# Altium PCB DCAC_V2b.PcbDoc (part 4 of 7)
Units mm, origin at the board's own origin, x right, y up, seen from the top; angles counter-clockwise.
Board outline 174.4 x 124.43 mm, 4 copper layers (Top Layer, TOP_RTN, BOTT_RTN, Bottom Layer), stack 1.506 mm thick; 694 components, 367 nets, 1780 pads, 720 vias.
Unrouted connection lines stored in the file: 173.
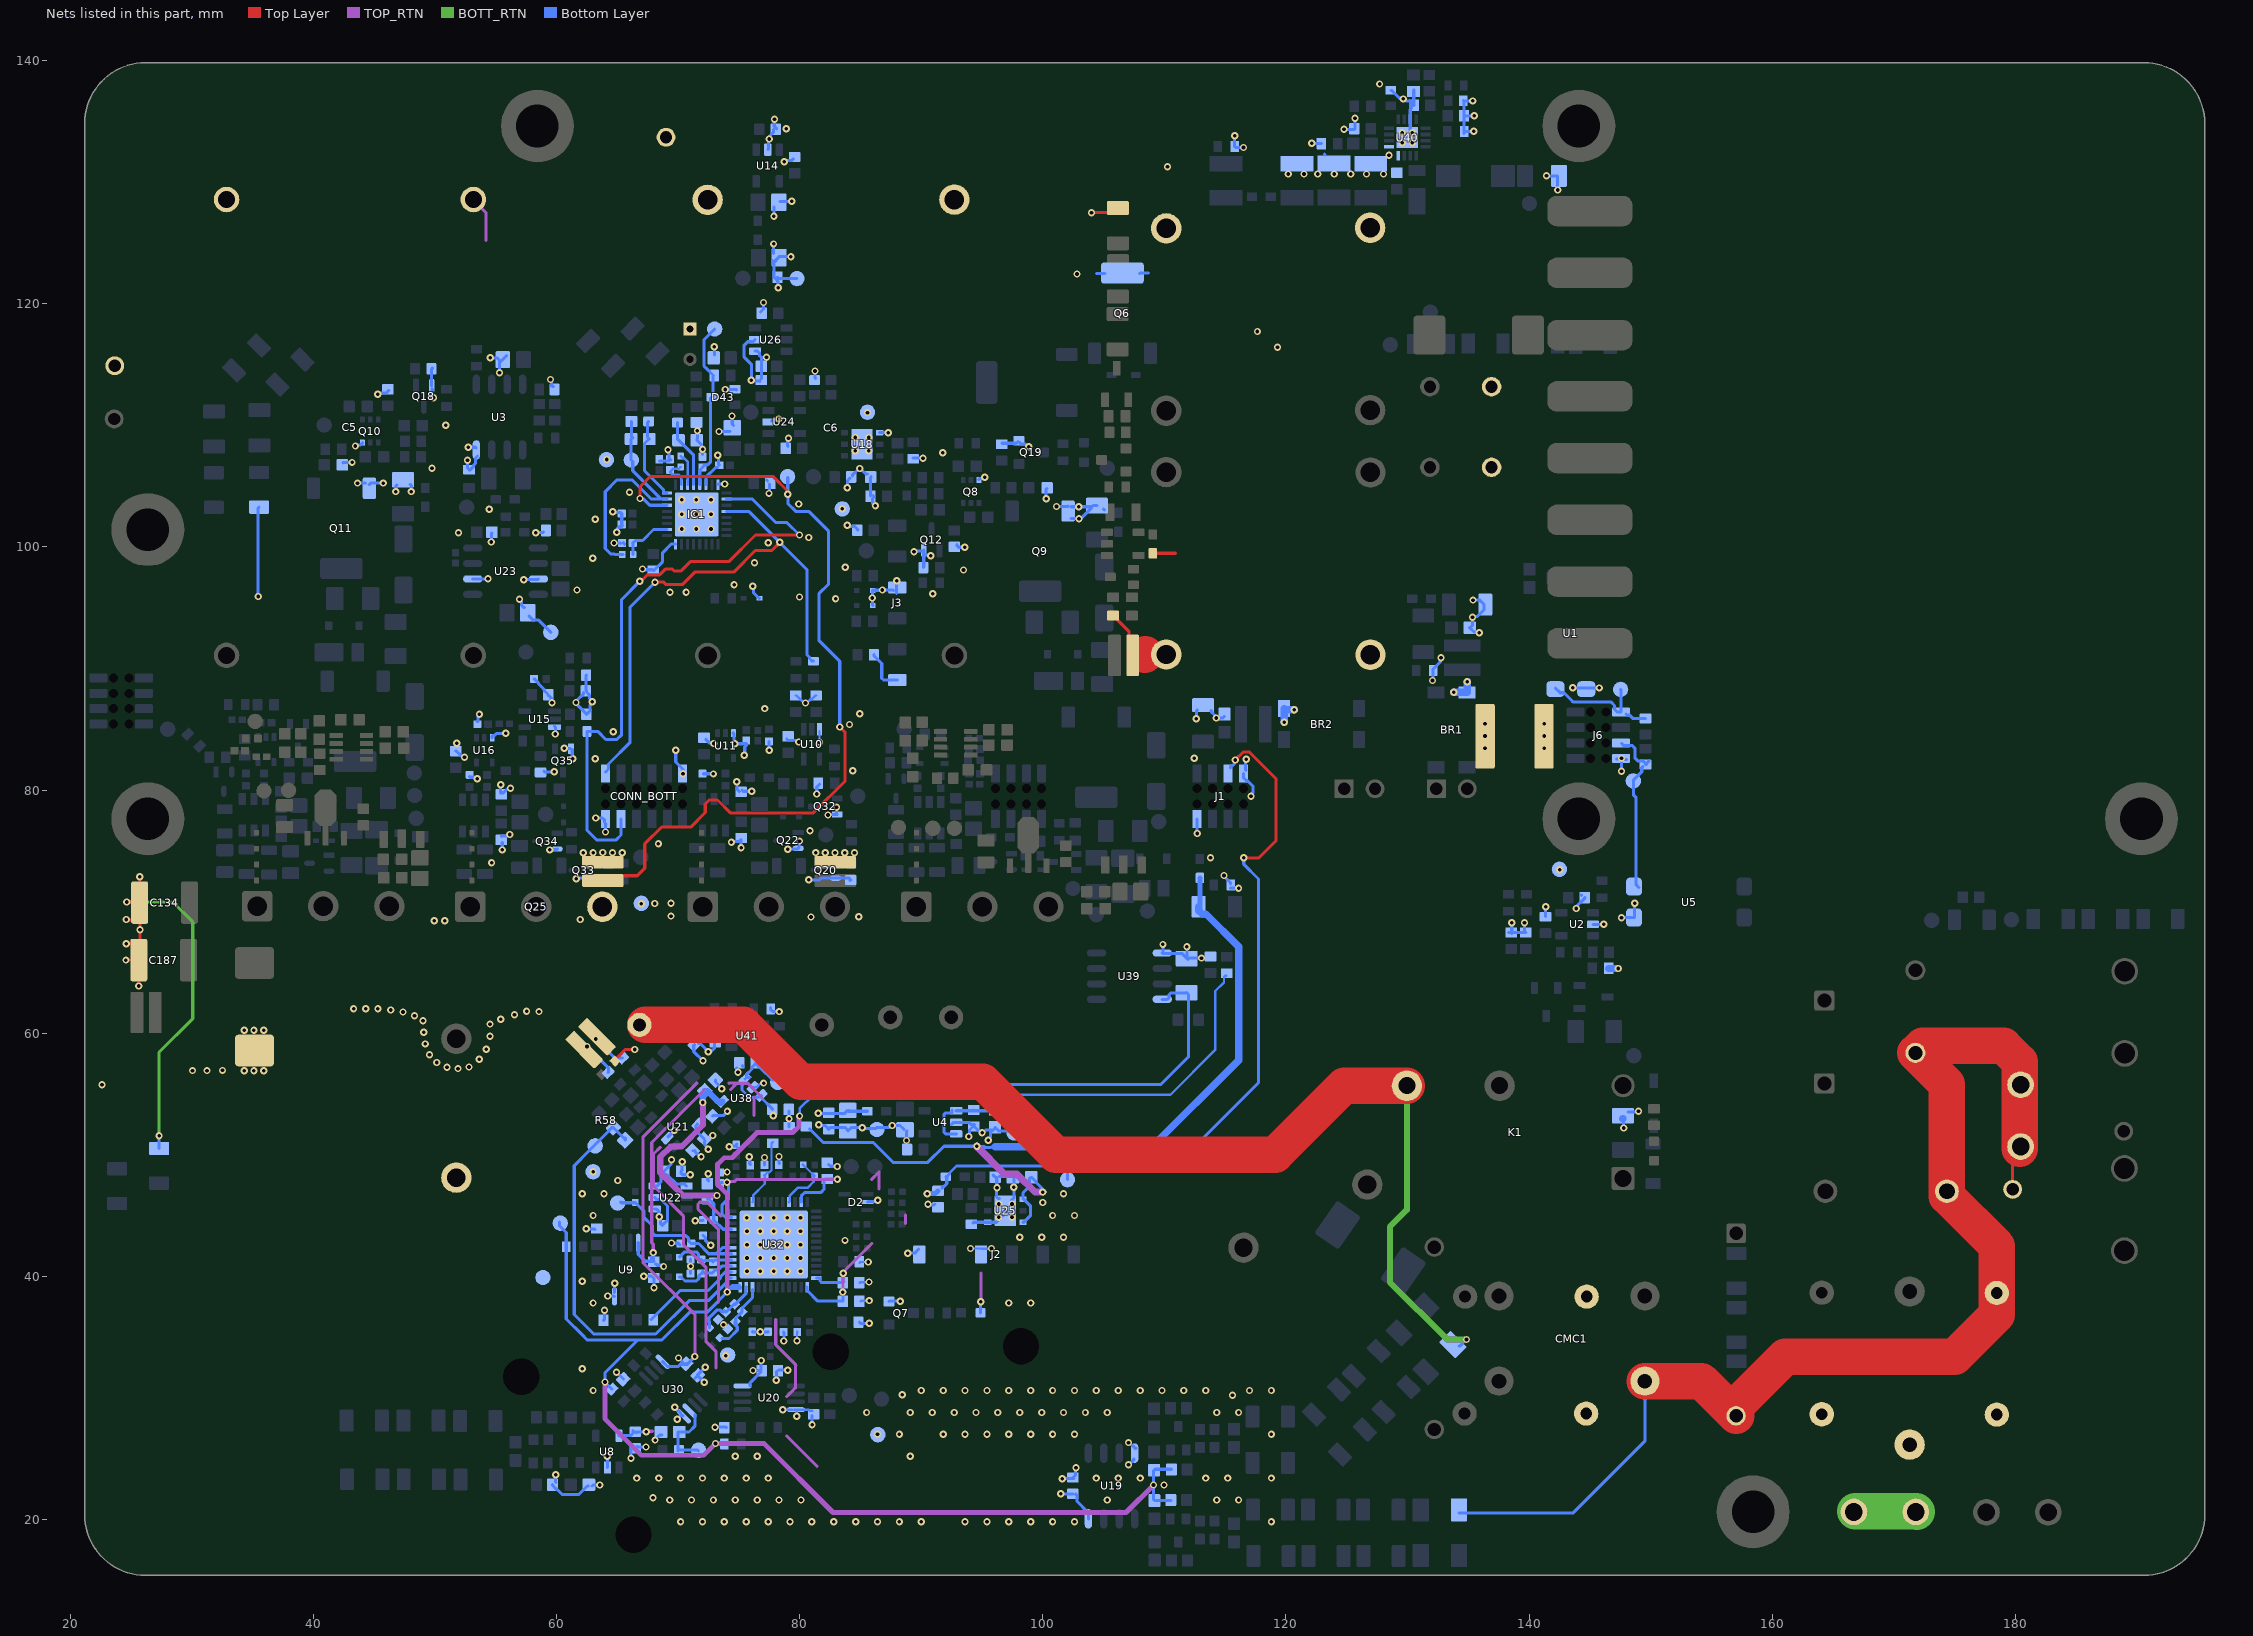
[diagram p6: the nets of this part, all layers, seen from the top]

## Part data (continued)
U3: library part TI-LP2951-D8, "Single Output LDO, 100 mA, 1.2 to 29 V Output, 2 to 30 V Input, -40 to 125 degC, 8-Pin SOIC (D), RoHS, Tape and Reel", Manufacturer="Texas Instruments", Operating Temperature Range (C)="-40 to 125", Output Capacitor Type=Non-Ceramic, Rating=Catalog, Accuracy (%)=1.4, ComponentLink1Description="Manufacturer URL", ComponentLink1URL=http://www.ti.com/, ComponentLink2Description=Datasheet, ComponentLink2URL=http://www.ti.com/lit/ds/symlink/lp2950-30.pdf, ComponentLink3Description="Package Specification", ComponentLink3URL=http://www.ti.com/lit/ml/msoi002j/msoi002j.pdf, DatasheetVersion=SLVS582H, Iout (Max) (A)=0.1, Iq (Typ) (mA)=0.075, Mounting Technology="Surface Mount", Output Options="Adjustable Output", PackageDescription="8-Pin Plastic Small Outline, Body 3.9 x 4.9 mm, Pitch 1.27 mm", PackageReference=D0008A, PackageVersion=4040047-3/M, Packing="Tape and Reel", PartNumber=LP2951DR, RoHS=TRUE, Vdo (Typ) (mV)=380, Vin (Max) (V)=30, Vin (Min) (V)=2, Vout (Max) (V)=29, Vout (Min) (V)=1.2
U4 U14 U38: library part PM-LINEREG-TC1014-IL5, "50 mA, 100 mA and 150 mA CMOS LDOs with Active-Low Shutdown and Reference Bypass, 5-Pin SOT-23, Extended Temperature, Tape and Reel", Code_IPC=SOT23-5, DatasheetVersion="revE, Feb-2007", PackageDescription="5-Lead Plastic Small Outline Transistor (CT) [SOT-23]", PackageReference=SOT-23-CT5, PackageVersion="revBB, Aug-2009"
U6 U7: library part CMP-0366-01377-2, "Adjustable Precision Shunt Regulator, 34 ppm / degC, 100 mA, -40 to 85 degC, 3-pin SOT-89 (PK), Green (RoHS & no Sb/Br)", Manufacturer="Texas Instruments", Rating=Military, Temp Coeff(Max)(ppm/ degree C)=92, Temp Coeff(Typ)(ppm/ degree C)=34, Code_JEDEC=TO-243, ComponentLink1Description="Manufacturer URL", ComponentLink1URL=http://www.ti.com/, ComponentLink2Description=Datasheet, ComponentLink2URL=http://www.ti.com/general/docs/lit/getliterature.tsp?genericPartNumber=TL431&fileType=pdf, ComponentLink3Description="Package Specification", ComponentLink3URL=http://www.ti.com/litv/pdf/mhsi001b, DatasheetVersion=SLVS543M, Eco-Plan="Green (RoHS & no Sb/Br)", Initial Accuracy @ 25/deg C(%)=2, Iout/Iz(Max)(mA)=100, Min Iz for Regulation(uA)=600, Mounting Technology="Surface Mount", PackageDescription="3-Pin Plastic Small Outline, Body 2.5 x 4.5 mm, Pitch 1.5 mm", PackageReference=PK0003A, PackageVersion=4040234/D, PartNumber=TL431IPK, SubFamily="Shunt Voltage Reference", VO Adj(Max)(V)=36, VO Adj(Min)(V)=2.495
U9 U20 U30: library part CMP-0384-01693-1, "Double Channel Single-Supply Operation Operational Amplifier, 110 MHz BW, 170 V/us SR, Industrial, 8-pin SOP (RM-8), Reel", Amplifiers Per Package=2, Generic Part Number=AD8092, Input Bias Current=1.3uA, Input Offset Voltage=1.6mV, Manufacturer="Analog Devices", PartNumber=AD8092ARMZ-REEL, Code_JEDEC=MO-187-AA, ComponentLink1Description="Manufacturer URL", ComponentLink1URL=http://www.analog.com/en/index.html, ComponentLink2Description=Datasheet, ComponentLink2URL=http://www.analog.com/static/imported-files/data_sheets/AD8091_8092.pdf, ComponentLink3Description="Package Specification", ComponentLink3URL=http://www.analog.com/static/imported-files/packages/PKG_PDF/MSOP%28RM%29/RM_8.pdf, DatasheetVersion="Rev. C", Iq/Amp=5.5mA, Mounting Technology="Surface Mount", PackageDescription="8-Pin Mini Small Outline Package, Body 3 x 3 mm, Pitch 0.65 mm", PackageReference=RM-8, Slew Rate=170V/us, Small Signal Bandwidth=110MHz, V Span Max=12V, V Span Min=3V
U10 U15: library part CMP-0859-00394-3, "Single 2-Input Positive-AND Gate, DCK0005A, SMALL T&R", F @ Nom Voltage(Max)(Mhz)=75, Generic Part Number=SN74AHC1G08, ICC @ Nom Voltage(Max)(mA)=0.01, Manufacturer="Texas Instruments", Operating Temperature Range(C)="-55 to 125", Rating=Catalog, tpd @ Nom Voltage(Max)(ns)=12.3,7.9, Voltage(Nom)(V)=3.3,5, 3-State Output=No, Bits(#)=1, DatasheetVersion=SCLS314N, Gate Type=AND, Input Type=CMOS, Logic=True, Output Drive (IOL/IOH)(Max)(mA)=50/-50, Output Type=CMOS, PackageReference=DCK0005A, Schmitt Trigger=No, Sub-Family="AND Gate", Technology Family=AHC, VCC(Max)(V)=5.5, VCC(Min)(V)=2
U11 U16 U17 U31: library part CMP-0859-00258-3, "Single Bus Buffer Gate With 3-State Output, DCK0005A, LARGE T&R", F @ Nom Voltage(Max)(Mhz)=75, Generic Part Number=SN74AHCT1G126, ICC @ Nom Voltage(Max)(mA)=0.01, Manufacturer="Texas Instruments", Operating Temperature Range(C)="-40 to 125", Rating=Catalog, tpd @ Nom Voltage(Max)(ns)=6, Voltage(Nom)(V)=5, 3-State Output=Yes, Bits(#)=1, DatasheetVersion=SCLS380J, Input Type=CMOS, Logic=True, Output Drive (IOL/IOH)(Max)(mA)=8/-8, Output Type=CMOS, PackageReference=DCK0005A, Schmitt Trigger=No, Sub-Family="Non-Inverting Buffer/Driver", Technology Family=AHCT, VCC(Max)(V)=5.5, VCC(Min)(V)=2
U12 U28: library part CMP-0244-00401-1, "Ultra Low Drop Voltage Regulators with Inhibit, Low ESR Output Capacitors Compatible, 3.3V, 3-Pin SOT-89, Tape and Reel", ComponentLink1Description="Manufacturer URL", ComponentLink1URL=http://www.st.com, ComponentLink2Description=Datasheet, ComponentLink2URL=http://www.st.com/internet/com/TECHNICAL_RESOURCES/TECHNICAL_LITERATURE/DATASHEET/CD00001635.pdf, DatasheetVersion=14/07/2008, PackageDescription="3-Pin SOT-89 Package 1.5 mm Pitch, 4.1 mm Lead Span", PackageReference=SOT-89, PackageVersion=2011
U13 U29: library part STM-LM393-SO8, "Low-Power, Dual-Voltage Comparator, 2 to 36 V, 0 to 70 degC, 8-Pin SOIC (SO), RoHS, Tape and Reel", Current - Input Bias (Max)=0.25µA@5V, Current - Output (Typ)=18mA@5V, Current - Quiescent (Max)=2.5mA, Manufacturer=STMicroelectronics, Operating Temperature=0°C~70°C, Package / Case="8-SOIC(0.154\",3.90mmWidth)", Package Description="8-Pin Small Outline Integrated Circuit, Body 4.9 x 3.9 mm, Pitch 1.27 mm", Package Reference=SO-8, Standard Package=2,500, Supplier Device Package=8-SO, Voltage - Input Offset (Max)=5mV@30V, Voltage - Supply, Single/Dual (±)=2V~36V,±1V~18V, Category=IntegratedCircuits(ICs), Datasheet URL=http://www.st.com/content/ccc/resource/technical/document/datasheet/group1/b4/cc/cf/13/18/28/44/f5/CD00000465/files/CD00000465.pdf/jcr:content/translations/en.CD00000465.pdf, Datasheet Version="Rev. 15, 02/2016", EDA / CAD Models=DownloadfromAcceleratedDesigns, Family=Linear-Comparators, Manufacturer URL=http://www.st.com/, Mounting Technology=SurfaceMount, Mounting Type=SurfaceMount, Number of Elements=2, Online Catalog=Comparators-2elements, Other Names=497-1593-2, Other Related Documents=LM393ViewAllSpecificationsLM393ViewAllSpecifications, Output Type=CMOS,DTL,ECL,MOS,Open-Collector,TTL, Packaging=Tape&Reel(TR), Type=GeneralPurpose
U19: library part AMP-OPA-MCP602-IL8, "2.8 MHz, 150 Î¼A Dual Op Amp, 8-Pin SOIC, Extended Temperature Range, Tape and Reel", Code_IPC=SOIC127P600-8, Code_JEDEC=MS-012, ComponentLink1Description="Manufacturer URL", ComponentLink1URL=http://www.microchip.com/, ComponentLink2Description=Datasheet, ComponentLink2URL=http://ww1.microchip.com/downloads/en/DeviceDoc/22145a.pdf, ComponentLink3Description="Package Specification", ComponentLink3URL=http://www.microchip.com/stellent/groups/techpub_sg/documents/packagingspec/en012702.pdf, DatasheetVersion="revA, Mar-2009", PackageDescription="8-Lead Plastic Small Outline (SN) - Narrow, 3.90mm Body [SOIC]", PackageReference=SOIC-SN8, PackageVersion="revBB, Aug-2009", RevisionNote="URLs added."
U22: library part ADI-ADR34xx-RJ-6, "Micropower, High Accuracy Voltage Reference, 3.3 V Output, 3.5 to 5.5 V Supply, Industrial, 6-pin SOT23 (RJ-6), Reel", Manufacturer="Analog Devices", Operating Temp Range="-40 to 125 degC", PartNumber=ADR3433ARJZ-R2, Code_JEDEC=MO-178-AB, ComponentLink1Description="Manufacturer URL", ComponentLink1URL=http://www.analog.com/en/index.html, ComponentLink2Description=Datasheet, ComponentLink2URL=http://www.analog.com/static/imported-files/data_sheets/ADR3412_ADR3420_ADR3425_ADR3430_ADR3433_ADR3440_ADR3450.pdf, ComponentLink3Description="Package Specification", ComponentLink3URL=http://www.analog.com/static/imported-files/packages/PKG_PDF/SOT-23(RJ)/RJ_6.pdf, ComponentLink4Description="URL Link1", ComponentLink4URL="Product URL:http://www.analog.com/en/special-linear-functions/voltage-references/adr3433/products/product.html", DatasheetVersion="Rev. B", Max V Supply (V)=5.5, Min V Supply (V)=3.5, Mounting Technology="Surface Mount", PackageDescription="6-Pin Small Outline Transistor Package, Body 2.9 x 1.6 mm, Pitch 0.95 mm", PackageReference=RJ-6, PackageVersion="121608-A, 12/2008", Packing=Reel, Ref Out TC (ppm/C)=8, Vout=3.3V
U23: library part PM-CHP-LM2661M-8, "Switched Capacitor Voltage Converter, 8-pin Narrow SOIC, Pb-Free", Manufacturer="Texas Instruments", PackageTopMarking=NSZXTT*LM26*63M, PowerWise=N, Code_IPC=SOIC127P600-8, Code_JEDEC=MS-012-AA, ComponentLink1Description="Datasheet URL", ComponentLink1URL=http://www.ti.com/general/docs/lit/getliterature.tsp?genericPartNumber=LM2663&fileType=pdf, CompType="Switch Caps", PackageDescription="SOIC Narrow, 4.9 x 3.9 x 1.45mm, 8 Lead, 1.27mm Pitch", PackageReference=D0008A, PinCount=8, RoHS=Y
U26: library part ADI-ADR34xx-RJ-6, "Micropower, High Accuracy Voltage Reference, 3.3 V Output, 3.5 to 5.5 V Supply, Industrial, 6-pin SOT23 (RJ-6), Reel", Manufacturer="Analog Devices", Operating Temp Range="-40 to 125 degC", Code_JEDEC=MO-178-AB, ComponentLink1Description="Manufacturer URL", ComponentLink1URL=http://www.analog.com/en/index.html, ComponentLink2Description=Datasheet, ComponentLink2URL=http://www.analog.com/static/imported-files/data_sheets/ADR3412_ADR3420_ADR3425_ADR3430_ADR3433_ADR3440_ADR3450.pdf, ComponentLink3Description="Package Specification", ComponentLink3URL=http://www.analog.com/static/imported-files/packages/PKG_PDF/SOT-23(RJ)/RJ_6.pdf, ComponentLink4Description="URL Link1", ComponentLink4URL="Product URL:http://www.analog.com/en/special-linear-functions/voltage-references/adr3433/products/product.html", DatasheetVersion="Rev. B", Max V Supply (V)=5.5, Min V Supply (V)=3.5, Mounting Technology="Surface Mount", PackageDescription="6-Pin Small Outline Transistor Package, Body 2.9 x 1.6 mm, Pitch 0.95 mm", PackageReference=RJ-6, PackageVersion="121608-A, 12/2008", Packing=Reel, PartNumber=ADR3433ARJZ-R2, Ref Out TC (ppm/C)=8, Vout=3.3V
U27 U33 U35 U36: "Single-channel EiceDRIVER™ with true  differential inputs"
U32: Manufacturer=STMicroelectronics, Manufacturer Part Number=STM32G491CCU6, Supplier Part Number 1=497-STM32G491CCU6-ND, RoHS=Yes, Supplier 1=Digi-Key
U37: library part CMP-0366-01210-2, "Adjustable Precision Shunt Regulator, 34 ppm / degC, 100 mA, -40 to 125 degC, 3-pin SOT-23 (DBZ), Green (RoHS & no Sb/Br)", Manufacturer="Texas Instruments", Rating=Catalog, Temp Coeff(Max)(ppm/ degree C)=92, Temp Coeff(Typ)(ppm/ degree C)=34, Code_JEDEC=TO-236, ComponentLink1Description="Manufacturer URL", ComponentLink1URL=http://www.ti.com/, ComponentLink2Description=Datasheet, ComponentLink2URL=http://www.ti.com/general/docs/lit/getliterature.tsp?genericPartNumber=TL431A&fileType=pdf, ComponentLink3Description="Package Specification", ComponentLink3URL=http://www.ti.com/litv/pdf/mpds108a, DatasheetVersion=SLVS543M, Eco-Plan="Green (RoHS & no Sb/Br)", Initial Accuracy @ 25/deg C(%)=1, Iout/Iz(Max)(mA)=100, Min Iz for Regulation(uA)=600, Mounting Technology="Surface Mount", PackageDescription="3-Pin Plastic Small Outline, Body 2.92 x 1.3 mm, Pitch 0.95 mm", PackageReference=DBZ0003A, PackageVersion=4203227/B, PartNumber=TL431AQDBZR, SubFamily="Shunt Voltage Reference", VO Adj(Max)(V)=36, VO Adj(Min)(V)=2.495
U40: "Integrated Circuit", Manufacturer_Name="Texas Instruments", Mouser Part Number=595-LM51571QRTERQ1, Arrow Part Number=LM51571QRTERQ1, Arrow Price/Stock=https://www.arrow.com/en/products/lm51571qrterq1/texas-instruments?region=nac, Datasheet Link=https://www.ti.com/lit/ds/symlink/lm51571-q1.pdf?ts=1617256844020&ref_url=https%253A%252F%252Fwww.ti.com%252Fstore%252Fti%252Fen%252Fp%252Fproduct%252F%253Fp%253DLM51571QRTERQ1, Height=0.8mm, Manufacturer_Part_Number=LM51571QRTERQ1, Mouser Price/Stock=https://www.mouser.co.uk/ProductDetail/Texas-Instruments/LM51571QRTERQ1?qs=DRkmTr78QATLeGZjuFYyEQ%3D%3D

## Free pads (board coordinates)
  round 2.5 hole 3: 2(66.325,18.75) 2(82.552,33.782) 2(98.202,34.232) 3(57.1,31.75)
  round 6 hole 3.5: H2(58.425,134.625) H4(158.425,20.625) H5(144.1,77.625) H5(144.1,134.625) H5(190.375,77.625) H6(26.375,77.625) H6(26.375,101.425)

## Via types
v1: diameter 0.6, hole 0.3, Top Layer to Bottom Layer, tented both sides, 679 vias
v2: diameter 0.6/0.6/0.6/0.6 (per signal layer), hole 0.3, Top Layer to Bottom Layer, tented both sides, 33 vias
v3: diameter 0.6, hole 0.3, Top Layer to Bottom Layer, 8 vias

## Nets (pads, with @x,y where several pads share a name; then routed paths per layer and width w, separated by ;. In a path a pad name is that pad's centre, name@x,y a point inside that pad or via, vN(x,y) a via of type N, cw(c..) or ccw(c..) an arc to the next point about the centre after c; other vN are vias at no path point)
AC_FUSE_MON: J6.3 R13.1 TP68.1 U5.4 | length 14.1
  Bottom Layer w0.254: J6.3@147.595,83.84 147.784,83.651 148.499,83.651 148.7,83.45 148.7,82.65 148.977,82.373 149.377,82.373 149.612,82.137 R13.1@149.65,82.1 ; U5.4@149.025,71.98 148.808,72.197 148.808,79.366 148.575,79.599 TP68.1@148.575,80.75 148.575,80.798 149.269,81.492 149.269,81.844 R13.1@149.35,81.925 ; R13.1@149.575,82.1 R13.1@149.841,82.366
ADC1_IN10_1: C92.2 IC1.2 R160.2 | length 4.2
  Bottom Layer w0.254: R160.2@66.3,99.375 66.283,99.393 66.283,100.307 66.275,100.315 C92.2@66.265,100.325 66.458,100.518 66.62,100.518 66.627,100.525 67.075,100.525 67.975,101.425 IC1.2@69.075,101.425
ADC2_IN13_1: C150.2 IC1.10 R199.2 | length 3.1
  Bottom Layer w0.2: R199.2@70.2,106.575 70.05,106.425 69.545,106.425 C150.2@69.545,106.375 ; IC1.10@70.275,105.125 70.25,105.15 70.25,105.75 70.05,105.95 69.545,105.95 69.325,106.17 C150.2@69.325,106.185 ; C150.2@69.325,106.185 69.355,106.185 C150.2@69.545,106.375 ; C150.2@69.325,106.185 69.34,106.17 C150.2@69.545,106.375
BOTT_GND: BR1.4 C1.2 C3.2 C5.3 C5.4 C6.2 C8.1 C10.2 C13.1 C26.1 C42.1 C54.1 C55.1 C56.1 C57.1 C58.1 C66.2 C67.1 C68.1 C69.1 C71.1 C72.2 C76.2 C77.1 C91.1 C92.1 C95.1 C98.1 C100.1 C104.1 C105.1 C106.1 C107.1 C109.1 C110.1 C112.1 C114.1 C118.1 C119.1 C120.1 C121.1 C123.1 C126.1 C127.1 C129.1 C134.1 C136.2 C137.1 C138.2 C144.1 C150.1 C159.1 C161.2 C170.1 C171.1 C172.1 C176.1 C179.1 C180.1 C181.1 C182.1 C184.1 C185.1 C187.1 CONN_BOTT.1 CONN_BOTT.12 D4.2 D11.2 D12.2 D40.1 D41.2 D43.1 IC1.14 IC1.16 IC1.32 IC1.33 J3.3 NTC4.1 Q6.4 Q8.3 Q9.3 Q10.3 Q11.3 Q12.2 Q18.2 Q19.2 Q20.2 Q22.2 Q32.2 Q33.2 Q34.2 Q35.2 R22.1 R76.2 R86.1 R105.1 R119.1 R127.1 R130.1 R133.1 R141.1 R179.1 R192.2 R202.1 R212.2 R223.2 R226.1 R230.1 R231.1 R232.1 R236.1 R237.1 R241.1 R242.2 R247.1 R248.1 R249.1 R250.1 R251.1 R252.2 R253.2 R257.1 R258.1 Rcsn1.1 Rcsn2.1 TP9.1 TP10.1 TP42.1 TP49.1 TP56.1 TP60.1 TP61.1 TP62.1 U3.4 U10.3 U11.3 U14.2 U15.3 U16.3 U18.1 U18.7 U23.3 U23.6 U24.2 U26.1 U26.2 U40.1 U40.7 U40.16 U40.17 | length 212.8
  Top Layer w0.254: v1@24.5,69.325 25.131,69.325 25.7,69.894 C134.1@25.7,70.745 ; v1(24.57,66.01) C187.1@25.63,66.01 ; v1(24.6,67.355) C187.1@25.905,67.355 ; v1(24.635,70.795) 25.385,70.795 C134.1@25.395,70.805 ; v1@25.635,63.81 25.63,63.815 C187.1@25.63,66.01 ; C187.1@25.69,67.51 25.73,67.55 v1(25.73,68.495) 25.73,69.325 C134.1@25.765,69.36 ; v1(25.72,72.86) 25.72,72.3 C134.1@25.815,72.205 ; C187.1@25.99,66.01 C187.1@25.63,66.01 ; C5.3@53.15,128.519 C5.3@53.15,128.575 ; v2(104,127.5) 105.8,127.5 R242.2@106.05,127.75
  TOP_RTN w0.254: C5.3@53.15,128.575 53.15,128.519 54.2,127.469 54.2,125.225
  BOTT_RTN w0.254: v1(24.635,70.795) 28.425,70.795 30.065,69.155 30.065,61.195 27.295,58.425 v2@27.295,51.585 ; C5.3@53.15,128.519 C5.3@53.15,128.575
  Bottom Layer w0.203: C54.1@78.925,84.2 79.048,84.077 79.691,84.077 79.818,83.95 v1(79.925,83.95) ; C57.1@79.675,87.775 79.725,87.775 80.174,87.326 80.197,87.326 80.363,87.16 80.577,87.16 80.832,87.415 80.858,87.415 80.894,87.452 80.977,87.452 81.3,87.775 C56.1@81.35,87.775 ; v1(81.625,83.925) U10.3@81.625,84.85
  Bottom Layer w0.254: v2@27.295,51.635 27.3,51.63 R202.1@27.3,50.515 ; v2(35.45,95.925) 35.45,103.2 R127.1@35.525,103.275 ; R223.2@42.425,106.925 42.45,106.95 v1(43.175,106.95) ; v1@43.525,108.35 43.541,108.366 43.816,108.366 43.902,108.452 43.952,108.452 44.025,108.525 Q10.3@44.025,108.575 ; v1(43.625,105.25) Q11.3@44.275,105.25 ; Q11.3@44.575,105.125 44.7,105.25 v1(45.75,105.25) ; v1(45.275,112.55) 45.369,112.55 45.496,112.677 46.002,112.677 C98.1@46.2,112.875 ; v1(46.775,104.55) 46.775,105.002 46.873,105.1 C42.1@46.875,105.1 ; C42.1@47.95,105.15 48.05,105.05 v1(48.05,104.55) ; Q18.2@49.725,113.251 49.725,114.65 R226.1@49.8,114.725 ; Q18.2@49.75,113 49.767,112.983 49.767,112.476 49.875,112.369 v1(49.875,112.275) ; C112.1@51.7,83.225 51.725,83.225 52.184,82.766 52.359,82.766 v1(52.425,82.7) ; R133.1@52.675,106.475 v1(52.675,107.125) ; v1(52.725,108.2) 53.325,108.2 U3.4@53.375,108.15 ; R133.1@52.8,106.35 52.9,106.35 53.173,106.623 53.173,106.723 53.329,106.879 53.329,107.315 53.489,107.475 U3.4@53.5,107.475 ; R141.1@52.825,81.125 52.898,81.052 53.256,81.052 53.382,80.926 v1(53.476,80.926) ; U23.6@53.1,97.365 53.15,97.365 53.155,97.37 54.345,97.37 v1(54.35,97.375) ; C119.1@53.475,85.625 53.548,85.698 53.548,86.029 53.65,86.131 v1(53.65,86.225) ; v1(54.55,115.55) 55.102,115.55 55.325,115.327 C105.1@55.325,115.25 ; v1(54.625,100.4) 54.65,100.425 54.65,101.125 C106.1@54.675,101.15 ; U16.3@54.7,84.3 54.7,84.425 54.773,84.498 54.898,84.498 55.045,84.645 55.795,84.645 v1(55.822,84.672) ; v1(55.3,114.324) 55.3,115.15 C105.1@55.875,115.725 ; v1(55.4,80.425) 55.4,79.775 C136.2@55.425,79.75 ; C123.1@55.475,76.2 55.498,76.223 55.938,76.223 56.054,76.338 v1(56.147,76.338) ; C136.2@55.5,79.775 55.625,79.775 55.934,80.084 56.022,80.084 56.026,80.088 56.137,80.088 v1(56.203,80.154) ; v1(55.525,75.075) C123.1@55.525,75.675 ; v1(56.95,95.7) 56.95,95.606 57.127,95.429 57.127,95.173 57.275,95.025 C91.1@57.375,95.025 ; v1(57.3,97.3) 57.332,97.333 58.468,97.333 U23.3@58.5,97.365 ; C91.1@57.75,94.3 58.073,93.977 58.523,93.977 TP49.1@59.525,92.975 ; R253.2@58.15,89.15 58.52,88.78 58.52,88.727 58.977,88.271 58.977,88.173 59.125,88.025 C58.1@59.15,88.025 ; v1(58.275,101.172) 58.872,101.172 R179.1@58.925,101.225 ; R237.1@58.95,81.55 59,81.5 v1(59.797,81.5) ; C58.1@59.275,87.85 59.559,87.566 59.559,87.244 v1(59.625,87.178) ; v1(59.425,75.075) 59.465,75.115 60.016,75.115 Q34.2@60.051,75.15 ; v1(59.5,113.775) 59.566,113.709 59.566,113.359 59.602,113.323 59.602,113.248 59.65,113.2 R22.1@59.725,113.2 ; U15.3@59.825,85.25 59.9,85.175 v1(59.9,84.613) ; v1(60.625,83.425) 61.075,83.425 Q35.2@61.1,83.4 ; Q35.2@61.275,83.325 61.287,83.313 61.287,82.613 v1(61.325,82.575) ; v1@61.546,87.179 62.45,86.275 C120.1@62.45,86.225 ; v1(61.599,87.197) 61.665,87.263 61.665,87.365 62.225,87.925 C121.1@62.225,88.025 ; v1(61.622,72.704) 61.668,72.75 62.855,72.75 62.89,72.715 63.96,72.715 R236.1@64.1,72.575 ; R130.1@62.45,89.45 62.425,89.425 62.425,88.175 C121.1@62.475,88.125 ; C121.1@62.5,88.025 62.698,87.827 62.698,87.571 62.925,87.344 v1(62.925,87.25) 62.925,87.156 62.748,86.979 62.748,86.498 C120.1@62.6,86.35 ; v1(63.225,77.7) 63.782,77.7 63.925,77.557 CONN_BOTT.12@63.925,77.35 ; v1(64.025,76.55) 64.025,77.17 CONN_BOTT.12@64.075,77.22 ; v1@64.605,102.879 64.669,102.814 65.296,102.814 C72.2@65.36,102.75 C104.1@65.36,101.85 ; v1(64.72,100.32) 64.723,100.323 65.227,100.323 C92.1@65.25,100.3 ; v1@64.935,101.19 65.001,101.256 65.001,101.511 65.147,101.657 65.322,101.657 C104.1@65.41,101.745 ; C92.1@65.49,100.365 65.49,100.329 C92.1@65.598,100.221 ; v1(67.06,98.18) 67.12,98.12 67.899,98.12 C66.2@67.904,98.115 ; C66.2@67.94,98.06 67.99,98.06 68.72,98.79 68.72,99.529 69.416,100.225 IC1.32@69.775,100.225 ; C114.1@68.45,107.065 C150.1@69.26,107.065 ; v2(69.168,107.991) 69.234,107.925 69.234,107.291 C150.1@69.387,107.138 ; v1(69.8,83.275) 69.8,82.31 70.375,81.735 CONN_BOTT.1@70.375,81.37 ; CONN_BOTT.1@70.3,81.575 70.3,81.45 v1(70.4,81.35) ; C76.2@71.55,108.775 71.923,108.402 71.923,108.171 72,108.094 v2@72,108 ; C76.2@71.55,108.875 71.583,108.908 v2(71.583,109.549) ; C144.1@72.001,107.625 72.004,107.628 72.004,108.02 v2(72.008,108.024) ; R105.1@72.075,81.35 72.087,81.338 72.887,81.338 v1(72.9,81.325) ; C55.1@72.275,84.175 72.275,84.15 72.448,83.977 72.473,83.977 72.559,83.891 72.859,83.891 v1(72.925,83.825) ; IC1.14@72.275,105.125 72.277,105.127 72.277,105.719 73.09,106.532 73.232,106.532 C68.1@73.25,106.55 ; v2(72.972,116.465) 72.972,115.828 R241.1@73,115.8 ; v2(73.247,107.55) 73.313,107.484 73.313,106.797 C68.1@73.385,106.725 ; IC1.16@73.275,105.125 73.275,105.173 73.277,105.175 v1(73.825,105.175) ; v2@73.479,109.503 74.247,109.503 C69.1@74.25,109.5 ; v2(73.875,112.95) 73.888,112.962 74.763,112.962 D43.1@74.8,112.925 ; v1(74.379,75.704) 74.472,75.704 74.546,75.777 75.002,75.777 C137.1@75.075,75.85 ; v2@74.45,110.775 74.45,110.1 C69.1@74.55,110 ; v1@74.55,83.825 74.571,83.804 v1(74.655,83.804) ; U11.3@74.55,84.675 74.525,84.7 74.5,84.7 74.602,84.598 74.602,83.857 v1(74.655,83.804) ; v1(74.825,80.675) 74.852,80.648 74.852,80.048 C138.2@75.025,79.875 ; v1(75.175,75.25) C137.1@75.175,75.925 ; C138.2@75.25,80 75.347,79.903 v1(76.05,79.903) ; v1(75.425,82.85) 75.477,82.902 75.477,83.527 75.625,83.675 ; C118.1@75.625,83.804 v1(74.655,83.804) ; v1@76.15,96.7 76.191,96.659 76.191,96.229 76.645,95.775 D41.2@76.685,95.775 ; U26.1@76.325,116.1 76.525,116.1 76.698,115.927 76.698,115.727 76.85,115.575 76.85,113.85 C170.1@76.825,113.825 ; U26.2@76.325,117.05 76.152,116.877 75.727,116.877 75.4,116.55 75.4,115.65 76.025,115.025 76.025,113.65 76.675,113.65 C170.1@76.725,113.6 ; C172.1@76.775,119.325 76.777,119.325 77.025,119.573 v2(77.025,120.1) ; 76.875,115.575 77.246,115.575 v2(77.267,115.596) ; C161.2@77.277,105.498 C161.2@77.35,105.425 ; U14.2@77.4,132.7 77.437,132.737 77.437,133.487 v2(77.5,133.55) 77.566,133.616 77.566,133.841 77.85,134.125 C71.1@77.85,134.325 ; v1@77.475,83.275 R252.2@77.475,84 ; v1(77.475,104.4) 77.5,104.425 C161.2@77.5,105.175 ; U24.2@77.675,110.35 77.773,110.448 78.099,110.448 78.179,110.528 v2(78.272,110.528) ; C127.1@77.775,123.575 77.775,123.352 77.784,123.343 78.241,123.8 C127.1@78.3,123.8 77.802,123.302 77.877,123.227 77.877,122.173 78.05,122 C107.1@78.052,122 ; C127.1@77.85,124.15 v2(77.85,124.925) ; v2(77.875,127.2) C100.1@77.875,127.975 ; v1@77.9,135.175 77.9,134.6 C71.1@78.1,134.4 ; v2(78.225,121.325) 78.2,121.35 78.2,121.852 C107.1@78.052,122 ; C127.1@78.3,123.875 v2(79.275,123.875) ; C100.1@78.4,128.4 78.425,128.425 v2(79.35,128.425) ; v2(78.725,131.675) 78.819,131.675 78.921,131.777 79.327,131.777 C129.1@79.475,131.925 ; v1@79.025,75.1 79.09,75.165 79.841,75.165 Q22.2@79.876,75.2 79.925,75.25 79.925,75.675 v1@79.975,75.725 ; C171.1@79.05,108.275 79.008,108.317 79.008,108.863 v2(79.074,108.929) ; TP42.1@79.775,122.075 78.275,122.075 C107.1@78.175,122.175 78.052,122.052 C107.1@78.052,122 ; v1(80.747,72.625) 80.777,72.595 81.6,72.595 81.779,72.775 84.025,72.775 R230.1@84.2,72.6 ; v2@81.25,114.45 81.25,113.9 R212.2@81.3,113.85 ; v1(81.4,79.675) 81.4,80.25 R231.1@81.625,80.475 ; v1@82.35,77.9 82.425,77.975 83.05,77.975 Q32.2@83.075,78 83.025,78.05 v1(83.025,78.572) ; v1(83.9,104.875) 83.927,104.902 83.927,105.452 C109.1@84.125,105.65 ; v1@83.95,101.8 83.994,101.8 84.121,101.673 84.527,101.673 84.775,101.425 C67.1@84.775,101.375 ; C109.1@84.325,105.85 84.325,105.9 84.875,106.45 v1(84.925,106.45) 84.975,106.45 85.425,106 C110.1@85.575,106 ; C126.1@85.825,104.175 85.825,105.725 C110.1@85.875,105.775 ; C126.1@86,103.975 86,103.6 ccw(c86.225,103.6) v1(86.225,103.375) ; D11.2@86.025,95.175 85.993,95.207 85.993,95.782 v1(85.975,95.8) 85.993,95.817 85.993,96.417 86,96.425 D12.2@86.01,96.425 86.023,96.437 86.787,96.437 v1(86.8,96.45) 87.675,96.45 J3.3@87.7,96.425 ; C126.1@86.025,104.225 C126.1@86.123,104.127 ; U18.1@86.575,109.4 v1@87.225,109.4 ; 87.975,96.15 v1(87.975,97.225) ; v1@89.325,99.625 89.366,99.666 90.117,99.666 Q12.2@90.2,99.749 Q12.2@90.2,99.444 ; R232.1@89.325,107.3 90.05,107.3 cw(c90.05,107.225) v1@90.125,107.225 ; R86.1@90.175,98.325 90.2,98.35 Q12.2@90.2,99.444 ; Q12.2@90.175,99.55 90.175,99.469 Q12.2@90.2,99.444 ; v1(90.775,99.275) 90.709,99.341 90.302,99.341 Q12.2@90.2,99.444 ; C95.1@92.925,100.2 92.925,100.123 93.073,99.975 v1(93.575,99.975) ; Q8.3@94.725,105.55 94.798,105.623 95.029,105.623 95.131,105.725 v1(95.225,105.725) ; R119.1@96.625,108.525 97.8,108.525 Q19.2@97.95,108.675 ; Q19.2@98.1,108.575 98.225,108.45 98.557,108.45 98.756,108.25 v1(98.85,108.25) ; v1(100.275,103.95) 100.275,104.75 R76.2@100.325,104.8 ; v1(101.125,103.325) 102.05,103.325 Q9.3@102.075,103.35 ; Q9.3@102.3,103.325 102.325,103.3 v1(102.95,103.3) C26.1@103.95,103.3 ; Q9.3@102.332,102.332 102.968,102.332 v1(102.975,102.325) 103.041,102.391 103.191,102.391 103.987,103.187 103.987,103.262 104.125,103.4 C26.1@104.45,103.4 ; 104.4,122.5 Q6.4@105.125,122.5 ; C26.1@105,103.1 C26.1@105.055,103.045 ; Q6.4@107.95,122.475 108,122.525 108.675,122.525 ; v1(115.775,133.825) R247.1@115.775,132.925 115.85,132.85 v1(116.5,132.85) ; v1@122.15,133.2 122.885,133.2 R258.1@122.91,133.175 ; 123.16,132.315 123.215,132.26 ; v1@124.8,134.35 125.6,134.35 C176.1@125.625,134.375 ; C176.1@125.65,134.375 125.675,134.375 v1@125.675,135.325 ; R250.1@128.625,137.55 128.7,137.55 129.331,136.919 129.584,136.919 v2(129.65,136.852) ; v2@129.65,136.85 129.746,136.85 129.923,136.673 130.227,136.673 130.227,136.127 130.5,136.4 R251.1@130.5,137.475 ; U40.17@130.25,134.15 130.225,134.175 U40.7@130.225,135.175 130.225,135.975 C185.1@130.325,136.075 ; R251.1@130.513,137.603 130.525,137.591 C185.1@130.525,136.325 ; v1@132.1,88.95 132.1,89.945 132.689,90.534 132.689,90.804 v1(132.755,90.87) ; R248.1@134.6,136.7 R248.1@134.625,136.675 ; R249.1@134.65,134 134.638,134.013 134.638,136.663 R248.1@134.625,136.675 ; C184.1@134.65,135.45 135.475,135.45 v2@135.5,135.475 ; R249.1@134.675,134.175 v2@135.5,134.175 ; C13.1@135.11,93.35 135.467,92.993 135.842,92.993 v1(135.9,92.935) ; C13.1@135.235,93.45 135.34,93.555 v1(135.34,94.22) 135.406,94.286 135.756,94.286 136.295,94.825 136.295,95.277 135.947,95.625 v1(135.39,95.625) ; v2@135.35,136.675 R248.1@134.625,136.675 ; v1(141.425,130.525) 142.35,130.525 v1(142.35,129.355)
  Bottom Layer w0.6: v1(133.8,88.05) 134.87,88.05 BR1.4@134.895,88.025 134.907,88.037 v1(134.907,88.904)
  other v1: 22.605,55.76 34.3,56.9 35.1,56.9 35.9,56.9 30.045,56.92 31.235,56.92 32.515,56.935 51.89,57.085 50.985,57.19 52.79,57.215 50.15,57.59 53.625,57.855 49.54,58.235 54.21,58.675 49.195,59.115 54.525,59.745 49.075,60.08 34.3,60.25 35.1,60.25 35.9,60.25 54.525,60.745 49.01,61.025 55.415,61.14 48.305,61.42 56.53,61.525 47.365,61.74 58.55,61.775 57.53,61.81 46.355,61.9 43.3,62 44.3,62 45.3,62 25.615,63.88 49.925,69.24 50.805,69.255 24.59,69.345 61.95,69.35 80.925,69.55 84.85,69.575 69.41,69.63 66.975,70.65 68.08,70.66 69.41,70.68 54.65,74.025 62.2,74.85 63,74.85 63.8,74.859 64.6,74.85 65.4,74.85 81.329,74.854 82.106,74.842 82.906,74.851 83.706,74.842 84.506,74.842 79.025,75.125 68.375,75.575 79.975,75.8 80.847,76.647 82.325,77.95 84.35,81.575 63.175,82.575 77.5,83.275 136.375,83.45 51.775,83.85 136.375,84.45 64.65,84.8 84.09,85.39 136.375,85.45 84.925,86.275 77.125,86.7 80.47,87.16 132.05,89.005 82.95,95.725 79.975,95.875 90.95,96.15 69.325,96.275 70.65,96.275 61.675,96.45 76.125,96.775 74.6,96.875 93.475,98.1 83.75,98.325 76.275,98.7 62.975,99.075 89.4,99.6 77.4,100.35 80.75,100.775 51.925,101.17 64.945,101.195 70.3,101.475 71.5,101.475 72.7,101.475 83.9,101.775 63.175,102.275 70.3,102.675 71.5,102.675 72.7,102.675 64.62,102.895 54.45,103.1 83.5,103.125 79.925,103.525 70.3,103.875 71.5,103.875 72.7,103.875 65.995,104.495 49.75,106.465 90.135,107.29 91.775,107.75 43.45,108.3 87.275,109.4 50.875,110 85.575,111.05 119.3,116.425 117.65,117.725 120.175,130.675 121.48,130.675 122.625,130.675 123.975,130.675 125.325,130.675 126.625,130.675 128.025,130.675 110.25,131.275 128.475,132.225 122.125,133.2 129.55,133.25 130.4,133.25 129.55,134.075 130.4,134.075 124.775,134.35 78.9,134.4 77.925,135.175 125.675,135.25 127.7,138.075
  other v2: 27.3,51.56 64.115,107.187 73.358,109.499 74.433,110.774 76.008,113.699 81.258,114.474 102.808,122.449 135.457,134.187 135.482,135.462 135.357,136.687
  other v3: 84.575,107.9 85.675,107.9 84.575,109 85.675,109
DAC1_2: C50.2 C145.2 R40.2 R53.1 R57.1 R89.2 R246.1 R256.1 TP38.1 U32.12 | length 154.4
  TOP_RTN w0.4: v1(63.975,31.3) 63.975,28.275 66.973,25.277 72.102,25.277 v1(73.075,26.25) 77.05,26.25 82.735,20.565 106.84,20.565 v1(109.105,22.83) ; v1@73.129,26.288 v1@73.167,26.288 ; v1(74.04,38.71) 74.04,45.165 ; 74.05,45.175 74.04,45.165 ; v1(79.987,53.184) 79.949,53.146 79.949,52.349 79.425,51.825 76.5,51.825 74.425,49.75 73.775,49.75 73.25,49.225 73.25,47.55 74.04,46.76 74.04,45.165